# Altium PCB DB_Main-X01.PcbDoc (part 2 of 2) (continued)
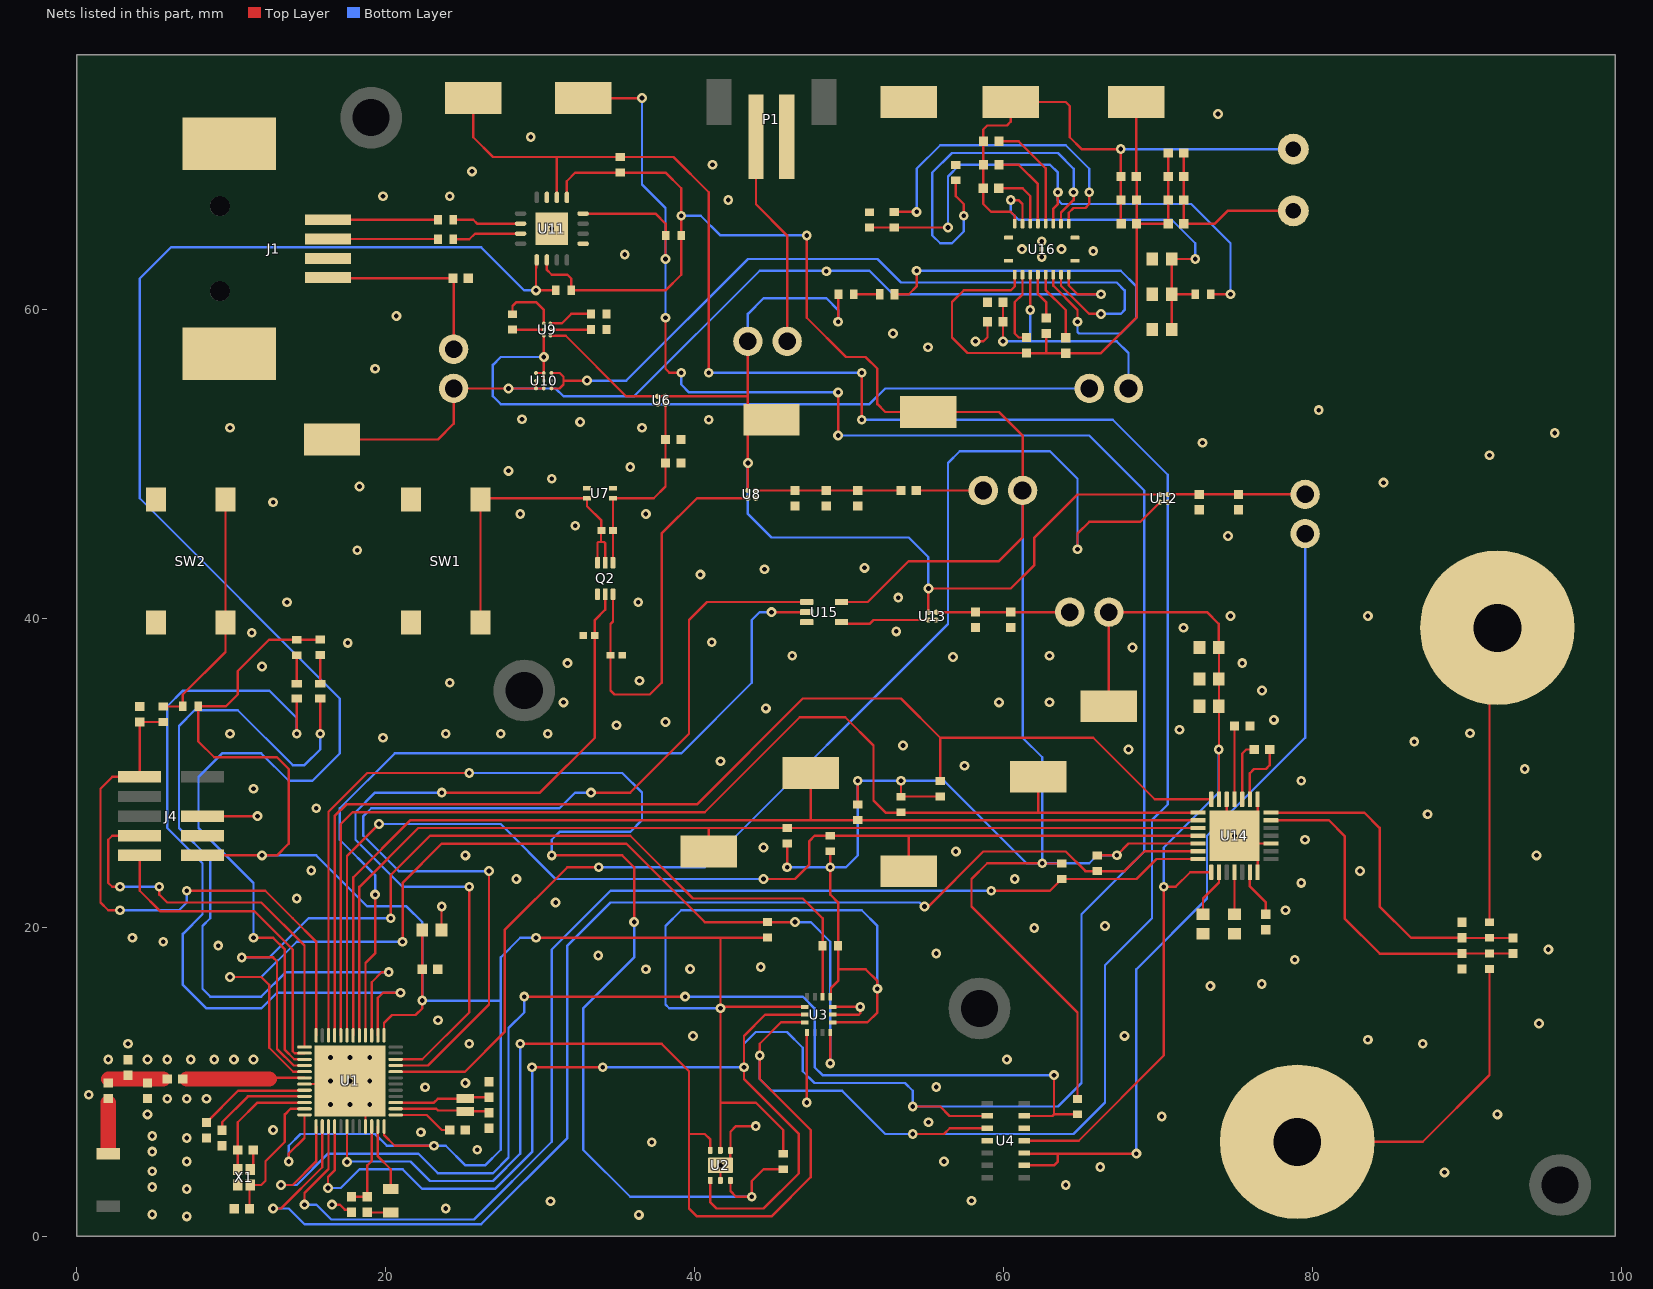
[diagram p2: the nets of this part, all layers, seen from the top]
## Nets (pads, with @x,y where several pads share a name; then routed paths per layer and width w, separated by ;. In a path a pad name is that pad's centre, name@x,y a point inside that pad or via, vN(x,y) a via of type N, cw(c..) or ccw(c..) an arc to the next point about the centre after c; other vN are vias at no path point)
1.8V: C37.1 C38.1 C39.1 TP3.1 TP16.2 U4.11 U14.13 U14.22 | length 60.9
  Top Layer w0.152: U4.11@61.328,6.172 64.846,6.172 70.358,11.684 v1(70.358,22.606) 71.12,22.606 72.062,23.548 U14.22@73.43,23.548 ; TP3.1@66.802,34.29 TP16.2@66.802,40.386 73.152,40.386 73.914,39.624 C39.1@73.914,38.1 73.93,38.084 U14.13@73.93,28.268
  Bottom Layer w0.152: v1(70.358,22.606) 70.358,25.146 73.914,28.702 v1(73.914,31.496)
BLE_ANT: C30.1 U1.30 | length 7.7
  Top Layer w0.152: 12.446,10.16 12.522,10.236 U1.30@14.732,10.236
  Top Layer w0.991: C30.1@7.112,10.16 12.446,10.16
BLOCKING_FET_EN: U10.A1 U10.C1 U16.8 | length 49.7
  Top Layer w0.152: U10.A1@30.718,54.864 31.242,54.864 31.496,55.118 31.496,55.372 ; U10.C1@30.718,55.864 31.258,55.864 31.496,55.626 31.496,55.372 ; v1(33.02,55.372) 31.496,55.372 ; U16.8@63.706,62.232 63.706,61.516 65.532,59.69 v1(66.294,59.69)
  Bottom Layer w0.152: v1(33.02,55.372) 35.56,55.372 43.434,63.246 51.816,63.246 53.34,61.722 67.31,61.722 67.818,61.214 67.818,59.944 67.564,59.69 v1(66.294,59.69)
BMI160_INT1: R21.2 U1.29 U3.4 | length 66.9
  Top Layer w0.152: v1(9.906,16.764) 11.938,16.764 12.446,16.256 12.446,12.192 14.002,10.636 U1.29@14.732,10.636 ; v1(21.082,19.05) 21.082,22.86 23.622,25.4 35.56,25.4 40.64,20.32 R21.2@44.704,20.32 v1(46.482,20.32) ; v1(48.768,11.176) U3.4@48.768,13.169
  Bottom Layer w0.152: v1(9.906,16.764) 11.938,16.764 14.224,19.05 v1(21.082,19.05) ; v1(46.482,20.32) 47.498,20.32 48.768,19.05 v1(48.768,11.176)
BMI160_INT2: R20.2 U1.28 U3.9 | length 60.1
  Top Layer w0.152: v1(10.668,18.034) 12.7,18.034 12.954,17.78 12.954,12.115 14.033,11.036 U1.28@14.732,11.036 ; v1(20.32,20.574) 20.32,23.368 22.86,25.908 35.814,25.908 39.878,21.844 46.99,21.844 48.268,20.566 48.268,18.796 U3.9@48.268,15.494
  Bottom Layer w0.152: v1(10.668,18.034) 12.446,18.034 14.986,20.574 v1(20.32,20.574)
CHG_N: D1.K U16.7 | length 28
  Top Layer w0.152: D1.K@52.926,60.96 53.848,60.96 54.356,61.468 v1(54.356,62.484) ; U16.7@63.206,62.232 63.206,61.508 64.77,59.944 v1(64.77,59.182)
  Bottom Layer w0.152: v1(54.356,62.484) 67.564,62.484 68.58,61.468 68.58,59.436 67.564,58.42 64.859,58.42 64.77,58.509 v1(64.77,59.182)
DEC4: C25.2 L2.1 U1.46 | length 5.7
  Top Layer w0.152: C25.2@17.78,2.54 L2.1@18.796,2.54 18.796,4.572 19.082,4.858 U1.46@19.082,7.086
ENABLE_LDO: Q2.3 R2.1 U8.B1 | length 26.2
  Top Layer w0.152: Q2.3@34.7,41.54 34.7,39.78 34.544,39.624 R2.1@34.544,37.592 34.544,35.306 34.798,35.052 37.084,35.052 37.846,35.814 37.846,45.466 40.14,47.76 U8.B1@43.434,47.76
ENABLE_MAX30003_SUPPLY: U1.16 U15.2 | length 53.8
  Top Layer w0.152: U1.16@18.682,12.986 18.682,17.666 19.304,18.288 v1(19.304,22.098) ; v1(44.958,40.386) U15.2@47.244,40.386
  Bottom Layer w0.152: v1(19.304,22.098) 19.304,23.368 17.018,25.654 17.018,27.686 20.574,31.242 39.116,31.242 43.688,35.814 43.688,39.878 44.196,40.386 v1(44.958,40.386)
ENABLE_MAX30102_LED: U1.8 U12.B1 | length 83.2
  Top Layer w0.152: U1.8@20.632,10.636 25.114,10.636 27.686,13.208 27.686,19.812 31.75,23.876 v1(33.782,23.876) ; v1(64.77,44.45) 64.77,45.466 65.532,46.228 68.834,46.228 U12.B1@70.108,47.502
  Bottom Layer w0.152: v1(33.782,23.876) 40.64,23.876 56.388,39.624 56.388,50.038 57.15,50.8 62.992,50.8 64.77,49.022 v1(64.77,44.45)
ENABLE_MAX30102_SUPPLY: U1.9 U15.1 | length 65.4
  Top Layer w0.152: U1.9@20.632,11.036 22.72,11.036 26.67,14.986 v1(26.67,23.622) ; v1(33.274,28.702) 35.814,28.702 39.624,32.512 39.624,39.878 40.782,41.036 U15.1@47.244,41.036
  Bottom Layer w0.152: v1(26.67,23.622) 20.828,23.622 18.542,25.908 18.542,27.178 19.05,27.686 31.242,27.686 32.258,28.702 v1(33.274,28.702)
GND: C1.2 C2.1 C16.2 C17.2 C18.2 C19.1 C20.1 C21.1 C22.2 C23.2 C24.2 C25.1 C26.2 C27.2 C28.2 C29.1 C31.2 C32.2 C33.2 C34.2 C35.1 C36.1 C37.2 C38.2 C39.2 C40.1 C41.2 C42.1 C43.2 C44.1 C46.1 C47.1 C48.2 C49.1 C50.1 C51.2 J1.4 J1.Shell J4.3 J4.5 L5.1 P1.2 Q2.1 R1.2 R2.2 R8.1 R10.2 R11.1 R12.2 R15.1 SW1.1 SW1.2 SW2.3 SW2.4 TP8.1 U1.31 U1.45 U1.49 U2.2 U2.4 U2.7 U3.1 U3.6 U3.7 U4.4 U4.12 U6.B2 U7.2 U7.3 U8.B2 U9.C2 U11.3 U11.13 U11.17 U12.B2 U13.B2 U14.3 U14.8 U14.12 U14.28 U14.29 U15.3 U16.1 U16.10 U16.11 U16.20 U16.21 X1.2 X1.4 | length 45.3
  Top Layer w0.152: J4.5@8.131,27.178 v1(11.684,27.178) ; X1.2@11.214,4.302 11.414,4.502 C22.2@11.414,5.572 ; U1.31@14.732,9.836 U1.49@17.482,9.836 ; v1(16.51,2.032) 17.018,2.032 17.341,1.709 17.611,1.709 C25.1@17.78,1.54 ; U1.49@16.682,11.036 17.132,10.586 v1(17.682,10.036) 18.682,9.036 U1.45@18.682,7.086 ; C29.1@23.602,19.812 23.602,21.316 v1(23.622,21.336) ; R10.2@28.194,59.674 28.194,60.198 28.448,60.452 29.718,60.452 30.226,59.944 U9.C2@30.226,59.074 ; U2.2@41.656,3.597 v1(41.656,4.572) 41.872,4.572 42.295,4.996 42.295,5.536 U2.4@42.306,5.547 42.306,6.746 42.672,7.112 v1(43.942,7.112) ; v1(47.244,8.636) 47.244,13.145 U3.1@47.268,13.169 ; U3.6@48.93,14.332 50.611,14.332 50.701,14.421 v1(50.701,14.831) U3.7@48.93,14.831 ; v1(58.166,57.912) 58.674,57.912 58.944,58.182 C21.1@58.944,59.182 ; U14.12@74.43,28.268 74.43,26.408 v1(74.93,25.908) ; U14.28@76.43,23.548 76.43,24.408 U14.29@75.43,25.408 ; U14.8@76.43,28.268 76.43,27.408 v1(74.93,25.908) ; U14.3@77.29,25.408 U14.29@75.43,25.408 ; v1(74.93,25.908) U14.29@75.43,25.408
  other v1: 7.112,1.27 36.375,1.369 4.875,1.397 23.876,1.778 30.657,2.245 57.912,2.286 7.112,3.048 4.875,3.175 64.008,3.302 88.532,4.118 4.875,4.191 66.243,4.463 7.112,4.826 56.134,4.826 4.875,5.461 25.908,5.588 37.205,6.073 7.112,6.35 4.875,6.477 22.264,6.718 12.7,6.858 55.118,7.366 70.222,7.742 4.572,7.874 91.948,7.874 16.412,8.512 17.682,8.512 18.952,8.512 5.842,8.89 7.112,8.89 8.382,8.89 0.762,9.144 22.541,9.623 55.626,9.652 25.146,9.906 16.412,10.036 18.952,10.036 2.032,11.43 4.572,11.43 5.842,11.43 7.366,11.43 8.89,11.43 10.16,11.43 11.43,11.43 60.198,11.43 16.412,11.56 17.682,11.56 18.952,11.56 3.302,12.446 25.4,12.446 87.122,12.446 83.566,12.7 39.879,12.943 67.818,12.954 94.641,13.752 23.368,13.97 73.37,16.181 76.693,16.313 36.83,17.272 39.695,17.278 44.26,17.416 78.836,17.887 33.746,18.154 55.626,18.288 95.25,18.542 9.144,18.796 5.588,19.05 3.589,19.307 61.974,19.938 66.548,20.066 78.232,21.082 30.988,21.59 14.224,21.844 79.248,22.86 28.448,23.114 60.706,23.114 83.058,23.622 15.169,23.659 25.146,24.638 94.488,24.638 56.896,24.892 44.45,25.146 79.502,25.654 87.435,27.302 15.494,27.686 11.43,28.956 79.248,29.464 93.726,30.226 57.453,30.437 41.656,30.734 68.072,31.496 53.474,31.748 86.574,32.001 19.812,32.258 9.906,32.512 23.876,32.512 27.432,32.512 30.48,32.512 90.177,32.55 71.374,32.766 34.934,33.06 38.1,33.274 77.48,33.41 44.598,34.153 31.496,34.544 59.69,34.544 62.963,34.547 76.708,35.306 24.13,35.814 36.421,35.946 11.977,36.864 31.75,37.084 75.438,37.084 56.71,37.477 46.303,37.564 62.963,37.564 68.326,38.1 17.531,38.395 41.1,38.439 11.321,39.051 53.037,39.138 71.628,39.37 74.676,40.132 83.566,40.132 13.595,41.018 36.333,41.018 53.168,41.325 40.356,42.811 44.51,43.161 50.982,43.249 18.143,44.385 74.512,45.316 32.258,45.974 28.702,46.736 36.83,46.736 12.7,47.498 18.288,48.514 84.582,48.768 30.734,49.022 27.94,49.53 35.814,49.784 91.44,50.546 72.867,51.347 95.659,51.974 9.906,52.324 36.576,52.324 32.573,52.694 40.894,52.832 28.812,52.868 80.386,53.462 19.304,56.134 55.087,57.535 52.832,58.42 20.679,59.559 62.456,63.374 35.459,63.538 65.786,63.754 61.181,63.882 63.731,63.882 62.456,64.39 30.741,65.207 42.164,67.056 19.812,67.31 24.13,67.31 25.576,68.916 41.148,69.342 29.381,71.146 73.867,72.625
LED_BLE: D4.K U1.14 | length 51.5
  Top Layer w0.152: v1(14.224,32.512) D4.K@14.224,34.798 ; U1.14@19.482,12.986 19.482,15.418 19.812,15.748 v1(20.942,15.748)
  Bottom Layer w0.152: v1(14.224,32.512) 14.224,33.528 12.446,35.306 6.858,35.306 5.842,34.29 5.842,26.416 8.128,24.13 8.128,20.828 6.858,19.558 6.858,16.256 8.382,14.732 11.938,14.732 12.954,15.748 v1(20.942,15.748)
LED_IND: D2.K U1.15 | length 50.6
  Top Layer w0.152: v1(15.748,32.512) D2.K@15.748,34.798 ; U1.15@19.082,12.986 19.082,16.428 19.724,17.07 20.168,17.07 v1(20.18,17.081)
  Bottom Layer w0.152: v1(15.748,32.512) 15.748,31.496 14.732,30.48 13.97,30.48 10.414,34.036 7.62,34.036 6.604,33.02 6.604,26.416 8.636,24.384 8.636,20.574 8.128,20.066 8.128,16.002 8.636,15.494 11.938,15.494 13.525,17.081 v1(20.18,17.081)
MAX30003_CS: R24.2 TP19.1 U1.20 U14.15 | length 79
  Top Layer w0.152: U1.20@17.082,12.986 17.082,26.67 17.844,27.432 40.64,27.432 46.784,33.576 49.736,33.576 51.562,31.75 51.562,28.194 52.348,27.408 53.34,27.408 62.23,27.408 ; TP19.1@62.23,29.718 62.23,27.408 ; U14.15@72.57,27.408 62.23,27.408
MAX30003_F_CLOCK: R33.2 U1.21 U14.14 | length 79.6
  Top Layer w0.152: U1.21@16.682,12.986 16.682,27.178 17.444,27.94 40.132,27.94 46.99,34.798 53.34,34.798 55.88,32.258 ; R33.2@55.88,29.448 55.88,32.258 ; U14.14@73.43,28.268 69.776,28.268 65.786,32.258 55.88,32.258
MAX30003_INT1: R32.2 U1.39 U14.21 | length 80.9
  Top Layer w0.152: v1(14.732,2.032) 14.732,2.794 16.282,4.344 U1.39@16.282,7.086 ; v1(59.182,22.352) 62.992,22.352 R32.2@63.754,23.114 68.58,23.114 69.874,24.408 U14.21@72.57,24.408
  Bottom Layer w0.152: v1(14.732,2.032) 15.494,2.032 16.459,1.067 25.705,1.067 30.734,6.096 30.734,18.542 34.544,22.352 v1(59.182,22.352)
MAX30003_INT2: R31.2 U1.38 U14.20 | length 85.8
  Top Layer w0.152: v1(12.7,1.778) 13.208,1.778 15.882,4.452 U1.38@15.882,7.086 ; v1(54.864,21.336) 55.118,21.336 58.674,24.892 64.008,24.892 65.278,23.622 67.818,23.622 69.104,24.908 U14.20@72.57,24.908
  Bottom Layer w0.152: v1(12.7,1.778) 13.716,1.778 14.732,0.762 26.162,0.762 31.75,6.35 31.75,18.796 34.544,21.59 54.533,21.59 54.787,21.336 v1(54.864,21.336)
MAX30102_INT: R30.2 U1.37 U4.13 | length 77.2
  Top Layer w0.152: v1(13.208,3.302) 13.97,3.302 15.482,4.814 U1.37@15.482,7.086 ; v1(28.956,15.494) v1(39.37,15.494) ; U4.13@61.328,7.772 63.144,7.772 63.246,7.874 ; v1(63.246,10.414) 63.246,7.874 ; R30.2@64.77,7.874 63.246,7.874
  Bottom Layer w0.152: v1(13.208,3.302) 14.224,3.302 16.256,5.334 22.098,5.334 23.368,4.064 26.924,4.064 27.94,5.08 27.94,13.462 28.956,14.478 v1(28.956,15.494) ; v1(39.37,15.494) 46.99,15.494 47.752,14.732 47.752,10.922 48.26,10.414 v1(63.246,10.414)
MCU_ENABLE_LDO: Q2.2 R1.1 U1.10 | length 51.6
  Top Layer w0.152: U1.10@20.632,11.436 22.358,11.436 25.4,14.478 v1(25.4,22.606) ; v1(23.622,28.702) 29.972,28.702 33.528,32.258 R1.1@33.528,38.862 33.528,39.878 34.2,40.55 Q2.2@34.2,41.54
  Bottom Layer w0.152: v1(23.622,28.702) 19.304,28.702 18.034,27.432 18.034,25.654 21.082,22.606 v1(25.4,22.606)
NetC1_1: C1.1 J1.1 TP12.2 | length 12.7
  Top Layer w0.152: J1.1@16.256,62.036 16.301,61.991 C1.1@24.339,61.991 24.384,61.947 TP12.2@24.384,57.404
NetC2_2: C2.2 U1.3 X2.1 | length 6.2
  Top Layer w0.152: U1.3@20.632,8.636 23.114,8.636 23.368,8.89 X2.1@25.146,8.89 25.244,8.988 C2.2@26.67,8.988
NetC3_1: C3.1 C6.1 C7.1 C8.2 C9.1 C11.1 C12.1 C13.2 C14.2 C15.2 TP13.1 U16.2 | length 42.7
  Top Layer w0.152: U16.2@60.706,62.232 60.706,61.468 60.452,61.214 57.404,61.214 56.642,60.452 56.642,58.166 57.65,57.158 C9.1@61.468,57.158 61.476,57.15 62.742,57.15 ; C3.1@62.738,58.42 62.738,57.154 62.742,57.15 ; TP13.1@68.58,73.406 C11.1@68.58,68.58 68.596,68.564 C12.1@68.596,67.056 ; C7.1@68.588,65.532 68.596,65.524 68.596,59.452 66.294,57.15 C6.1@64.008,57.15 62.742,57.15 ; C12.1@68.588,67.056 C12.1@68.596,67.056 ; C13.2@70.644,70.104 C8.2@70.644,68.58 C14.2@70.644,67.056 C15.2@70.644,65.532 C7.1@68.596,65.532 C12.1@68.596,67.056
NetC3_2: C3.2 U16.5 | length 3
  Top Layer w0.152: U16.5@62.206,62.232 62.206,60.984 62.738,60.452 C3.2@62.738,59.42
NetC4_1: C4.1 C5.1 C7.2 C10.1 C11.2 C12.2 L1.1 TP14.1 U16.19 | length 36.5
  Top Layer w0.152: C5.1@58.69,70.866 C5.1@58.698,70.874 ; U16.19@60.706,65.532 60.706,66.04 60.452,66.294 59.182,66.294 58.674,66.802 C4.1@58.674,67.818 58.674,70.866 58.674,71.628 58.928,71.882 60.198,71.882 60.452,72.136 TP14.1@60.452,73.406 64.008,73.406 64.262,73.152 64.262,71.12 65.024,70.358 v1(67.564,70.358) 67.58,70.342 C11.2@67.58,68.58 C7.2@67.58,65.532
  Bottom Layer w0.152: v1(67.564,70.358) L1.1@78.74,70.358
NetC4_2: C4.2 U16.17 | length 4
  Top Layer w0.152: C4.2@59.674,67.818 61.214,67.818 61.706,67.326 U16.17@61.706,65.532
NetC5_2: C5.2 U16.15 | length 7.3
  Top Layer w0.152: C5.2@59.69,70.866 60.96,70.866 62.706,69.12 U16.15@62.706,65.532
NetC6_2: C6.2 U16.6 | length 4.6
  Top Layer w0.152: U16.6@62.706,62.232 62.706,61.246 64.008,59.944 C6.2@64.008,58.15 C6.2@64.024,58.166
NetC8_1: C8.1 C13.1 C14.1 C15.1 L1.2 | length 12
  Top Layer w0.152: C13.1@71.644,70.104 C8.1@71.644,68.58 C14.1@71.644,67.056 C15.1@71.644,65.532 73.66,65.532 74.486,66.358 L1.2@78.74,66.358
NetC9_2: C9.2 U16.3 | length 4.9
  Top Layer w0.152: U16.3@61.206,62.232 61.206,60.952 60.706,60.452 60.706,58.42 60.968,58.158 C9.2@61.468,58.158
NetC10_2: C10.2 U16.16 | length 5.6
  Top Layer w0.152: C10.2@59.69,69.342 60.96,69.342 62.206,68.096 U16.16@62.206,65.532
NetC16_1: C16.1 C17.1 C18.1 R13.1 U16.18 | length 24.3
  Top Layer w0.152: v1(60.452,67.056) 60.96,67.056 61.206,66.81 U16.18@61.206,65.532 ; C18.1@70.866,58.674 C17.1@70.866,60.96 ; R13.1@72.39,60.96 C17.1@70.866,60.96 ; v1(72.39,63.246) C16.1@70.866,63.246 C17.1@70.866,60.96
  Bottom Layer w0.152: v1(60.452,67.056) 60.452,66.294 60.96,65.786 70.866,65.786 72.39,64.262 v1(72.39,63.246)
NetC19_2: C19.2 U1.2 X2.2 | length 6.1
  Top Layer w0.152: U1.2@20.632,8.236 23.26,8.236 23.368,8.128 25.088,8.128 X2.2@25.146,8.07 26.572,8.07 C19.2@26.67,7.972
NetC20_2: C20.2 C21.2 TP15.1 U16.4 | length 17.6
  Top Layer w0.152: v1(59.944,57.912) C21.2@59.944,59.182 C20.2@59.944,60.452 ; v1(61.706,59.944) U16.4@61.706,62.232
  Bottom Layer w0.152: v1(59.944,57.912) 61.722,57.912 ; v1(61.706,59.944) 61.706,57.928 61.722,57.912 ; TP15.1@68.072,54.864 68.072,57.15 67.31,57.912 61.722,57.912
NetC22_1: C22.1 U1.34 X1.3 | length 7.9
  Top Layer w0.152: X1.3@10.414,4.302 C22.1@10.414,5.572 10.414,7.366 11.684,8.636 U1.34@14.732,8.636
NetC23_1: C23.1 U1.35 X1.1 | length 8.9
  Top Layer w0.152: C23.1@11.176,1.762 11.176,3.264 X1.1@11.214,3.302 11.938,3.302 12.208,3.572 12.208,4.842 13.462,6.096 13.462,7.874 13.824,8.236 U1.35@14.732,8.236
NetC24_1: C24.1 U1.1 | length 3.9
  Top Layer w0.152: U1.1@20.632,7.836 22.644,7.836 23.622,6.858 C24.1@24.13,6.858
NetC26_1: C26.1 U1.32 | length 7.2
  Top Layer w0.152: C26.1@8.382,7.35 10.43,9.398 14.306,9.398 14.344,9.436 U1.32@14.732,9.436
NetC27_1: C27.1 U1.33 | length 6.8
  Top Layer w0.152: C27.1@9.398,6.842 9.398,7.366 11.068,9.036 U1.33@14.732,9.036 ; C27.1@9.398,6.85 C27.1@9.544,6.996
NetC30_2: C30.2 C31.1 L4.1 L5.2 | length 3.6
  Top Layer w0.152: L4.1@2.032,10.144 L4.1@2.048,10.16
  Top Layer w0.991: L4.1@2.048,10.16 C30.2@5.588,10.16
NetC32_1: C32.1 C33.1 C36.2 L6.1 U8.A2 | length 9.4
  Top Layer w0.152: U8.A2@43.934,48.26 C32.1@46.482,48.26 C33.1@48.514,48.26 C36.2@50.546,48.26 L6.1@53.34,48.26
NetC41_1: C41.1 C42.2 TP17.1 U12.A2 | length 8.9
  Top Layer w0.152: U12.A2@70.608,48.002 70.612,48.006 C41.1@72.644,48.006 C42.2@75.184,48.006 TP17.1@79.502,48.006
NetC43_1: C43.1 C44.2 TP16.1 U13.A2 | length 8.6
  Top Layer w0.152: U13.A2@55.618,40.378 55.626,40.386 TP16.1@64.262,40.386
NetC45_1: C45.1 U14.9 | length 4.2
  Top Layer w0.152: U14.9@75.93,28.268 75.93,29.956 76.2,30.226 76.962,30.226 77.208,30.472 C45.1@77.208,31.496
NetC45_2: C45.2 U14.10 | length 3.9
  Top Layer w0.152: U14.10@75.43,28.268 75.43,31.234 75.692,31.496 C45.2@76.208,31.496
NetC46_2: C46.2 U14.11 | length 4.8
  Top Layer w0.152: U14.11@74.93,28.268 C46.2@74.93,33.02
NetC47_2: C47.2 U14.23 | length 3.1
  Top Layer w0.152: C47.2@72.898,20.828 72.898,21.844 73.93,22.876 U14.23@73.93,23.548
NetC48_1: C48.1 U14.27 | length 3.1
  Top Layer w0.152: U14.27@75.93,23.548 75.93,22.622 76.962,21.59 C48.1@76.962,20.828
NetC49_2: C49.2 U14.25 | length 2.7
  Top Layer w0.152: C49.2@74.93,20.828 U14.25@74.93,23.548
NetC50_2: C50.2 C52.1 R26.2 U14.7 | length 22
  Top Layer w0.152: U14.7@77.29,27.408 83.336,27.408 84.328,26.416 84.328,21.336 86.36,19.304 C50.2@89.662,19.304 ; C50.2@89.662,19.288 91.44,19.288 C52.1@92.964,19.288
NetC51_1: C51.1 C52.2 R27.2 U14.6 | length 22.4
  Top Layer w0.152: U14.6@77.29,26.908 81.042,26.908 82.058,25.892 82.058,20.558 84.336,18.28 C51.1@89.662,18.28 89.67,18.288 91.44,18.288 C52.2@92.964,18.288
NetD1_A: D1.A R6.1 | length 1.7
  Top Layer w0.152: R6.1@50.292,60.96 D1.A@51.976,60.96
NetD2_A: D2.A R4.2 | length 1.9
  Top Layer w0.152: D2.A@15.748,35.748 R4.2@15.748,37.608
NetD4_A: D4.A R16.2 | length 1.9
  Top Layer w0.152: D4.A@14.224,35.748 R16.2@14.224,37.6
NetE1_1: E1.1 L4.2 | length 3
  Top Layer w0.991: E1.1@2.032,5.588 L4.2@2.032,8.636
NetJ2_1: J2.1 R26.1 | length 19.3
  Top Layer w0.152: R26.1@91.44,20.304 91.44,38.862 J2.1@91.948,39.37
NetJ3_1: J3.1 R27.1 | length 21.1
  Top Layer w0.152: J3.1@78.994,6.096 87.122,6.096 91.44,10.414 R27.1@91.44,17.28
NetL2_2: L2.2 L3.1 | length 1.5
  Top Layer w0.152: L2.2@18.796,1.54 18.812,1.524 L3.1@20.32,1.524
NetL3_2: L3.2 U1.47 | length 4.4
  Top Layer w0.152: U1.47@19.482,7.086 19.482,5.156 20.32,4.318 L3.2@20.32,3.048
NetL6_2: L6.2 TP11.1 | length 4.3
  Top Layer w0.152: L6.2@54.34,48.26 TP11.1@58.674,48.26
NetP1_1: P1.1 TP18.2 | length 14.1
  Top Layer w0.152: P1.1@43.958,71.156 43.958,66.786 45.974,64.77 TP18.2@45.974,57.912
NetQ2_5: Q2.5 Q2.6 R3.2 SW1.3 SW1.4 U7.4 | length 21.1
  Top Layer w0.152: SW1.3@26.126,39.713 SW1.4@26.126,47.663 26.215,47.752 U7.4@33.02,47.752 33.02,47.244 33.95,46.314 R3.2@33.95,45.671 ; Q2.6@33.7,43.59 33.7,44.876 33.748,44.924 33.929,44.924 ; R3.2@33.929,45.573 33.929,44.924 ; Q2.5@34.2,43.59 34.2,44.835 34.111,44.924 33.929,44.924
NetR8_2: R8.2 U9.B1 | length 2.6
  Top Layer w0.152: U9.B1@30.646,58.674 R8.2@33.274,58.674
NetR10_1: R10.1 U9.B2 | length 2
  Top Layer w0.152: R10.1@28.194,58.674 U9.B2@30.226,58.674
NetR11_2: R11.2 U9.C1 | length 2.9
  Top Layer w0.152: U9.C1@30.646,59.074 31.388,59.074 32.004,59.69 R11.2@33.274,59.69
NetR12_1: R12.1 U16.13 | length 24.1
  Top Layer w0.152: R12.1@56.896,68.334 56.896,67.31 57.404,66.802 v1(57.404,66.04) ; U16.13@63.706,65.532 63.706,66.246 64.516,67.056 v1(64.516,67.564)
  Bottom Layer w0.152: v1(57.404,66.04) 57.404,65.024 56.642,64.262 55.88,64.262 55.372,64.77 55.372,68.834 56.642,70.104 63.5,70.104 64.516,69.088 v1(64.516,67.564)
NetR13_2: R13.2 R14.2 R15.2 U16.14 | length 36.9
  Top Layer w0.152: R15.2@51.308,65.278 52.9,65.278 R14.2@52.908,65.286 52.916,65.278 v1(56.388,65.278) ; U16.14@63.206,65.532 63.206,66.508 63.5,66.802 v1(63.5,67.564) ; R13.2@73.39,60.96 v1(74.676,60.96)
  Bottom Layer w0.152: v1(56.388,65.278) 56.388,68.58 57.15,69.342 62.992,69.342 63.5,68.834 v1(63.5,67.564) 63.5,67.056 63.754,66.802 72.136,66.802 74.676,64.262 v1(74.676,60.96)
NetR14_1: R14.1 U16.12 | length 21.2
  Top Layer w0.152: R14.1@52.908,66.286 52.916,66.294 v1(54.356,66.294) ; U16.12@64.206,65.532 64.206,66.238 64.516,66.548 65.278,66.548 65.532,66.802 v1(65.532,67.564)
  Bottom Layer w0.152: v1(54.356,66.294) 54.356,69.088 55.88,70.612 64.008,70.612 65.532,69.088 v1(65.532,67.564)
NetR18_2: R18.2 R19.1 SW2.1 SW2.2 | length 15.8
  Top Layer w0.152: R19.1@5.588,34.274 6.842,34.274 6.842,35.036 9.616,37.81 SW2.2@9.616,39.713 SW2.1@9.616,47.663
NetR28_2: R28.2 U11.7 | length 4.5
  Top Layer w0.152: R28.2@24.368,64.516 25.4,64.516 25.766,64.882 U11.7@28.702,64.882
NetR29_2: R29.2 U11.6 | length 4.4
  Top Layer w0.152: R29.2@24.368,65.786 25.654,65.786 25.908,65.532 U11.6@28.702,65.532
NetU13_B1: U13.B1 U15.4 | length 5.8
  Top Layer w0.152: U15.4@49.494,39.848 49.718,39.624 51.308,39.624 51.562,39.878 U13.B1@55.118,39.878
nRESET: C40.2 J4.10 R19.2 U1.24 | length 37.9
  Top Layer w0.152: v1(2.794,21.082) 2.032,21.082 1.524,21.59 1.524,28.956 2.286,29.718 4.061,29.718 4.061,33.271 C40.2@4.064,33.274 R19.2@5.588,33.274 ; v1(7.112,22.352) 12.192,22.352 13.97,20.574 15.482,19.062 U1.24@15.482,12.986
  Bottom Layer w0.152: v1(2.794,21.082) 6.604,21.082 7.112,21.59 v1(7.112,22.352)
SCL_I2C: R5.2 TP1.1 U1.40 U2.1 U3.13 U4.2 U11.16 | length 200.8
  Top Layer w0.152: v1(16.256,3.111) 16.256,3.81 16.682,4.236 U1.40@16.682,7.086 ; v1(29.464,10.922) v1(34.036,10.922) ; U11.16@32.752,66.182 37.45,66.182 38.116,65.516 R5.2@38.116,64.77 ; TP1.1@32.766,73.66 v1(36.576,73.66) ; v1(38.1,59.436) 38.1,56.134 38.354,55.88 v1(39.116,55.88) ; v1(38.1,63.246) R5.2@38.1,64.77 ; U2.1@41.006,3.597 41.006,2.174 41.402,1.778 44.45,1.778 46.736,4.064 46.736,6.604 43.18,10.16 v1(43.18,10.922) 43.18,12.954 44.558,14.332 U3.13@47.105,14.332 ; v1(49.276,51.816) v1(49.276,54.61) ; v1(54.102,8.382) 55.88,8.382 56.49,7.772 U4.2@58.928,7.772
  Bottom Layer w0.152: v1(16.256,3.111) 17.081,3.111 18.288,4.318 21.082,4.318 22.352,3.048 27.073,3.048 29.464,5.439 v1(29.464,10.922) ; v1(34.036,10.922) v1(43.18,10.922) 43.18,12.446 43.942,13.208 45.974,13.208 46.99,12.192 46.99,10.668 47.752,9.906 53.594,9.906 54.102,9.398 v1(54.102,8.382) 63.5,8.382 65.024,9.906 65.024,20.828 69.088,24.892 69.088,48.26 65.532,51.816 v1(49.276,51.816) ; v1(36.576,73.66) 36.576,68.072 38.1,66.548 v1(38.1,63.246) v1(38.1,59.436) ; v1(39.116,55.88) 39.116,55.118 39.624,54.61 v1(49.276,54.61)
SDA_I2C: R7.2 TP2.1 U1.42 U2.6 U3.14 U4.3 U11.2 | length 208.6
  Top Layer w0.152: v1(17.482,4.788) U1.42@17.482,7.086 ; TP2.1@25.654,73.66 25.654,71.12 26.924,69.85 31.052,69.85 ; v1(28.702,12.446) 37.846,12.446 39.624,10.668 39.624,6.604 ; U11.2@31.052,67.232 31.052,69.85 ; v1(40.894,55.88) 40.894,67.564 38.608,69.85 R7.2@35.179,69.85 31.052,69.85 ; U2.6@41.006,5.547 41.006,6.238 40.64,6.604 39.624,6.604 ; U3.14@47.105,13.832 45.582,13.832 44.196,12.446 v1(44.196,11.684) 44.196,10.16 47.498,6.858 47.498,3.81 44.958,1.27 40.132,1.27 39.624,1.778 39.624,6.604 ; v1(50.8,52.832) v1(50.8,55.88) ; v1(54.102,6.604) 56.134,6.604 56.502,6.972 U4.3@58.928,6.972
  Bottom Layer w0.152: v1(17.482,4.788) 17.52,4.826 21.59,4.826 22.86,3.556 26.924,3.556 28.702,5.334 v1(28.702,12.446) ; v1(40.894,55.88) v1(50.8,55.88) ; v1(44.196,11.684) 44.196,10.16 44.958,9.398 49.53,9.398 52.324,6.604 v1(54.102,6.604) 64.516,6.604 66.548,8.636 66.548,17.526 69.596,20.574 69.596,26.924 70.612,27.94 70.612,49.276 67.056,52.832 v1(50.8,52.832)
SPI_CLK: R23.2 TP9.1 U1.18 U14.16 | length 69.5
  Top Layer w0.152: U1.18@17.882,12.986 17.882,23.216 21.59,26.924 47.498,26.924 ; TP9.1@47.498,29.972 47.498,26.924 ; R23.2@50.546,26.908 U14.16@72.57,26.908 ; R23.2@50.546,26.932 50.538,26.924 47.498,26.924
SPI_SDI: R22.2 TP6.1 U1.17 U14.17 | length 67
  Top Layer w0.152: U1.17@18.282,12.986 18.282,22.6 22.09,26.408 40.894,26.408 ; TP6.1@40.894,24.892 40.894,26.408 ; U14.17@72.57,26.408 R22.2@45.974,26.408 40.894,26.408
SPI_SDO: R25.2 TP10.1 U1.19 U14.18 | length 73.4
  Top Layer w0.152: U1.19@17.482,12.986 17.482,24.594 v1(19.558,26.67) ; v1(44.45,23.114) 46.482,23.114 47.416,24.048 47.416,25.572 47.752,25.908 53.848,25.908 ; TP10.1@53.848,23.622 53.848,25.908 ; U14.18@72.57,25.908 53.848,25.908
  Bottom Layer w0.152: v1(19.558,26.67) 27.432,26.67 30.988,23.114 v1(44.45,23.114)
SWD_CLK: J4.4 U1.25 | length 26.2
  Top Layer w0.152: v1(2.794,22.606) 2.286,22.606 2.032,22.86 2.032,25.654 2.286,25.908 J4.4@4.061,25.908 ; v1(5.334,22.606) 5.334,22.098 5.842,21.59 11.938,21.59 14.732,18.796 U1.25@14.732,12.236
  Bottom Layer w0.152: v1(2.794,22.606) v1(5.334,22.606)
SWD_DIO: J4.2 U1.26 | length 21.2
  Top Layer w0.152: J4.2@4.061,24.638 4.061,22.355 5.385,21.031 11.481,21.031 13.97,18.542 13.97,11.961 14.095,11.836 U1.26@14.732,11.836
TMP117_ALERT: R17.2 U1.22 U2.3 | length 88.6
  Top Layer w0.152: U1.22@16.282,12.986 16.282,27.458 18.796,29.972 v1(25.4,29.972) ; v1(30.734,24.638) 35.306,24.638 36.068,23.876 v1(36.068,20.32) ; U2.3@42.306,3.597 42.306,2.906 42.672,2.54 v1(43.688,2.54) 43.688,3.556 44.45,4.318 R17.2@45.72,4.318
  Bottom Layer w0.152: v1(25.4,29.972) 35.306,29.972 36.576,28.702 36.576,26.924 35.814,26.162 31.242,26.162 30.734,25.654 v1(30.734,24.638) ; v1(36.068,20.32) 36.068,18.034 32.766,14.732 32.766,5.588 35.814,2.54 v1(43.688,2.54)
USB_D+: J1.3 R29.1 | length 6.9
  Top Layer w0.152: J1.3@16.51,65.786 R29.1@23.368,65.786
USB_D-: J1.2 R28.1 | length 6.9
  Top Layer w0.152: J1.2@16.51,64.536 23.348,64.536 R28.1@23.368,64.516
USB_RESET: R34.2 U1.27 U11.9 | length 100.4
  Top Layer w0.152: v1(11.43,19.304) 12.7,19.304 13.462,18.542 13.462,12.038 14.064,11.436 U1.27@14.732,11.436 ; U11.9@29.752,63.04 29.724,63.012 29.724,62.682 29.718,62.677 v1(29.718,61.214) R34.2@31.004,61.214
  Bottom Layer w0.152: v1(11.43,19.304) 11.43,22.86 7.874,26.416 7.874,29.718 9.398,31.242 11.938,31.242 13.716,29.464 15.24,29.464 17.018,31.242 17.018,34.798 4.064,47.752 4.064,61.976 6.096,64.008 26.162,64.008 28.956,61.214 v1(29.718,61.214)
V_BATT: R6.2 TP4.1 TP18.1 U6.A1 U6.B1 U8.A1 U9.A1 U12.A1 U13.A1 | length 73.2
  Top Layer w0.152: U9.A1@30.646,58.274 31.642,58.274 35.564,54.352 U6.B1@37.596,54.352 U6.A1@38.096,54.352 43.43,54.352 43.434,54.356 ; U8.A1@43.434,48.26 v1(43.434,50.038) 43.434,54.356 ; TP18.1@43.434,57.912 43.434,54.356 ; v1(49.276,59.182) 49.276,60.944 R6.2@49.292,60.96 ; U13.A1@55.118,40.378 v1(55.118,41.91) 60.452,41.91 61.976,43.434 61.976,45.212 64.766,48.002 U12.A1@70.108,48.002
  Bottom Layer w0.152: v1(43.434,50.038) 43.434,46.736 44.958,45.212 53.848,45.212 55.118,43.942 v1(55.118,41.91) ; TP18.1@43.434,57.912 43.434,59.69 44.45,60.706 48.514,60.706 49.276,59.944 v1(49.276,59.182)
V_MAX30102_LED: TP17.2 U4.9 U4.10 | length 54.7
  Top Layer w0.152: U4.9@61.328,4.572 63.246,4.572 63.5,4.826 63.5,5.334 ; U4.10@61.328,5.372 61.366,5.334 63.5,5.334 ; v1(68.58,5.334) 63.5,5.334
  Bottom Layer w0.152: v1(68.58,5.334) 68.58,17.272 73.152,21.844 73.152,25.908 79.502,32.258 TP17.2@79.502,45.466
V_REED_SWITCH: C34.1 C35.2 Q2.4 R3.1 U6.A2 U7.1 | length 13.2
  Top Layer w0.152: Q2.4@34.7,43.59 R3.1@34.7,45.671 U7.1@34.7,47.752 37.338,47.752 38.1,48.514 C34.1@38.1,50.038 38.096,50.042 U6.A2@38.096,53.852
V_USB: TP5.1 TP12.1 U10.A2 U10.A3 U10.B3 U16.9 | length 62.5
  Top Layer w0.152: TP5.1@16.51,51.562 23.368,51.562 24.384,52.578 TP12.1@24.384,54.864 v1(27.94,54.864) U10.A3@29.718,54.864 ; U10.B3@29.718,55.364 U10.A3@29.718,54.864 ; U10.A2@30.218,54.864 U10.A3@29.718,54.864 ; U16.9@64.206,62.232 64.206,61.524 64.77,60.96 v1(66.294,60.96)
  Bottom Layer w0.152: v1(27.94,54.864) 30.988,54.864 31.496,54.356 36.068,54.356 44.196,62.484 48.476,62.484 v1(48.514,62.446) ; v1@48.514,62.484 51.308,62.484 52.832,60.96 v1(66.294,60.96)
V_USB_BLOCKING: TP15.2 U9.A2 U10.B2 U10.C2 U10.C3 | length 48.2
  Top Layer w0.152: U10.C3@29.718,55.864 U10.C2@30.218,55.864 ; U10.B2@30.218,55.364 U10.C2@30.218,55.864 ; U9.A2@30.226,58.274 30.218,58.266 U10.C2@30.218,55.864
  Bottom Layer w0.152: v1(30.226,56.896) 27.432,56.896 26.924,56.388 26.924,54.356 27.432,53.848 51.308,53.848 52.324,54.864 TP15.2@65.532,54.864
VCC: C28.1 C29.2 J4.1 R4.1 R5.1 R7.1 R16.1 R17.1 R18.1 R20.1 R21.1 R22.1 R23.1 R24.1 R25.1 R30.1 R31.1 R32.1 R33.1 R34.1 TP7.1 TP11.2 U1.13 U1.36 U1.48 U2.5 U3.5 U3.8 U3.12 U11.1 U11.10 U14.19 U15.5 | length 354.5
  Top Layer w0.152: J4.1@8.131,24.638 v1(11.976,24.638) 12.954,24.638 13.716,25.4 13.716,30.226 12.954,30.988 8.89,30.988 7.858,32.02 R18.1@7.858,34.29 9.652,34.29 10.414,35.052 10.414,36.576 12.438,38.6 R16.1@14.224,38.6 14.232,38.608 R4.1@15.748,38.608 ; v1(13.716,4.826) 13.716,5.334 14.732,6.35 U1.36@14.732,7.836 ; U1.48@19.882,7.086 19.882,6.534 20.574,5.842 v1(23.114,5.842) ; U1.13@19.882,12.986 19.882,13.786 20.402,14.306 21.926,14.306 22.352,14.732 v1(22.352,15.24) C28.1@22.352,17.272 C29.2@22.352,19.812 ; v1(29.718,19.304) 41.656,19.304 ; U11.10@30.402,63.182 30.402,62.562 30.734,62.23 31.75,62.23 32.004,61.976 R34.1@32.004,61.214 38.1,61.214 39.116,62.23 R5.1@39.116,64.77 v1(39.116,66.04) 39.116,67.818 38.1,68.834 32.258,68.834 31.702,68.278 U11.1@31.702,67.232 ; U2.5@41.656,5.547 41.656,8.636 ; R21.1@44.704,19.32 44.688,19.304 41.656,19.304 ; R17.1@45.72,5.318 45.72,6.858 43.942,8.636 41.656,8.636 ; v1(45.974,23.876) R22.1@45.974,25.408 ; U3.12@47.105,14.831 41.745,14.831 v1(41.656,14.742) ; v1(47.244,64.77) 47.244,59.436 49.784,56.896 51.054,56.896 51.816,56.134 51.816,53.848 52.324,53.34 TP7.1@55.118,53.34 59.69,53.34 61.214,51.816 TP11.2@61.214,48.26 61.214,45.212 59.69,43.688 53.848,43.688 51.196,41.036 U15.5@49.494,41.036 ; U3.8@48.768,15.494 48.817,15.543 48.817,16.051 49.276,16.51 49.276,17.361 ; R25.1@48.768,24.908 v1(48.768,23.876) 48.768,22.098 49.276,21.59 49.276,17.361 ; U3.5@48.93,13.832 51.17,13.832 51.816,14.478 v1(51.816,16.002) 51.816,16.51 51.054,17.272 49.365,17.272 49.276,17.361 ; R23.1@50.546,27.932 v1(50.546,29.464) ; v1(53.34,29.464) R24.1@53.34,28.432 53.356,28.448 R33.1@55.88,28.448 ; R32.1@63.754,24.114 62.5,24.114 v1(62.484,24.13) 58.928,24.13 57.912,23.114 57.912,21.336 64.77,14.478 R30.1@64.77,8.874 ; R31.1@66.04,24.63 66.056,24.646 v1(67.318,24.646) 68.08,25.408 U14.19@72.57,25.408 ; 41.656,8.636 v1(41.656,14.742) ; v1(41.656,14.742) 41.656,19.304
  Bottom Layer w0.152: v1(11.976,24.638) 15.494,24.638 18.796,21.336 21.336,21.336 22.352,20.32 v1(22.352,15.24) 27.432,15.24 ; v1(13.716,4.826) 13.716,5.842 14.478,6.604 19.304,6.604 20.066,5.842 v1(23.114,5.842) 23.876,5.842 25.146,4.572 26.416,4.572 27.432,5.588 27.432,15.24 ; v1(29.718,19.304) 28.702,19.304 27.432,18.034 27.432,15.24 ; v1(39.116,66.04) 40.386,66.04 41.656,64.77 v1(47.244,64.77) ; v1(41.656,14.742) 38.344,14.742 38.1,14.986 38.1,20.066 39.116,21.082 50.8,21.082 51.816,20.066 v1(51.816,16.002) ; v1(45.974,23.876) v1(48.768,23.876) 49.784,23.876 50.546,24.638 v1(50.546,29.464) v1(53.34,29.464) 56.134,29.464 61.468,24.13 v1(62.484,24.13) ; TP11.2@61.214,48.26 61.214,32.258 62.484,30.988 v1(62.484,24.13) ; v1(67.318,24.646) 66.048,24.646 65.532,24.13 v1(62.484,24.13)
pads on no net: E1.2 J1.MH1 J1.MH2 J4.6 J4.8 J4.9 J5.11 J6.11 J7.11 J8.11 P1.MP1 P1.MP2 U1.4 U1.5 U1.6 U1.7 U1.11 U1.12 U1.23 U1.41 U1.43 U1.44 U3.2 U3.3 U3.10 U3.11 U4.1 U4.5 U4.6 U4.7 U4.8 U4.14 U10.B1 U11.4 U11.5 U11.8 U11.11 U11.12 U11.14 U11.15 U14.1 U14.2 U14.4 U14.5 U14.24 U14.26

## Polygon pours and split planes (outlines as drawn)
GND on Bottom Layer "GND_L02_P001" (solid, pour order 1): 3.81,0 3.81,8.382 0,8.382 0,76.454 99.568,76.454 99.568,0
GND on Top Layer "GND_L01_P000" (solid, pour order 0): 3.81,0 3.81,8.382 0,8.382 0,76.454 99.568,76.454 99.568,0

## Keep-outs
Keep-Out Layer:
  the board outline again, w0.254

## Silkscreen, mask and mechanical layers (free items; w line width, h text height)
Top Overlay:
  lines w0.254: 0.254,0.254 99.314,0.254 99.314,76.2 0.254,76.2 0.254,0.254
Bottom Overlay:
  lines w0.254: 0.254,0.254 99.314,0.254 99.314,76.2 0.254,76.2 0.254,0.254
Board_Outline:
  the board outline again, w0.254

## Text inside footprints (layer, text, board x,y; h text height)
U7: Mechanical 3 "1" at 34.36,47.677 h0.51 r90